# Altium PCB Board.PcbDoc
Units mil, origin at the board's own origin, x right, y up, seen from the top; angles counter-clockwise.
Board outline 2874.02 x 3346.46 mil, 2 copper layers (Top Layer, Bottom Layer); 8 components, 25 nets, 152 pads, 0 vias.
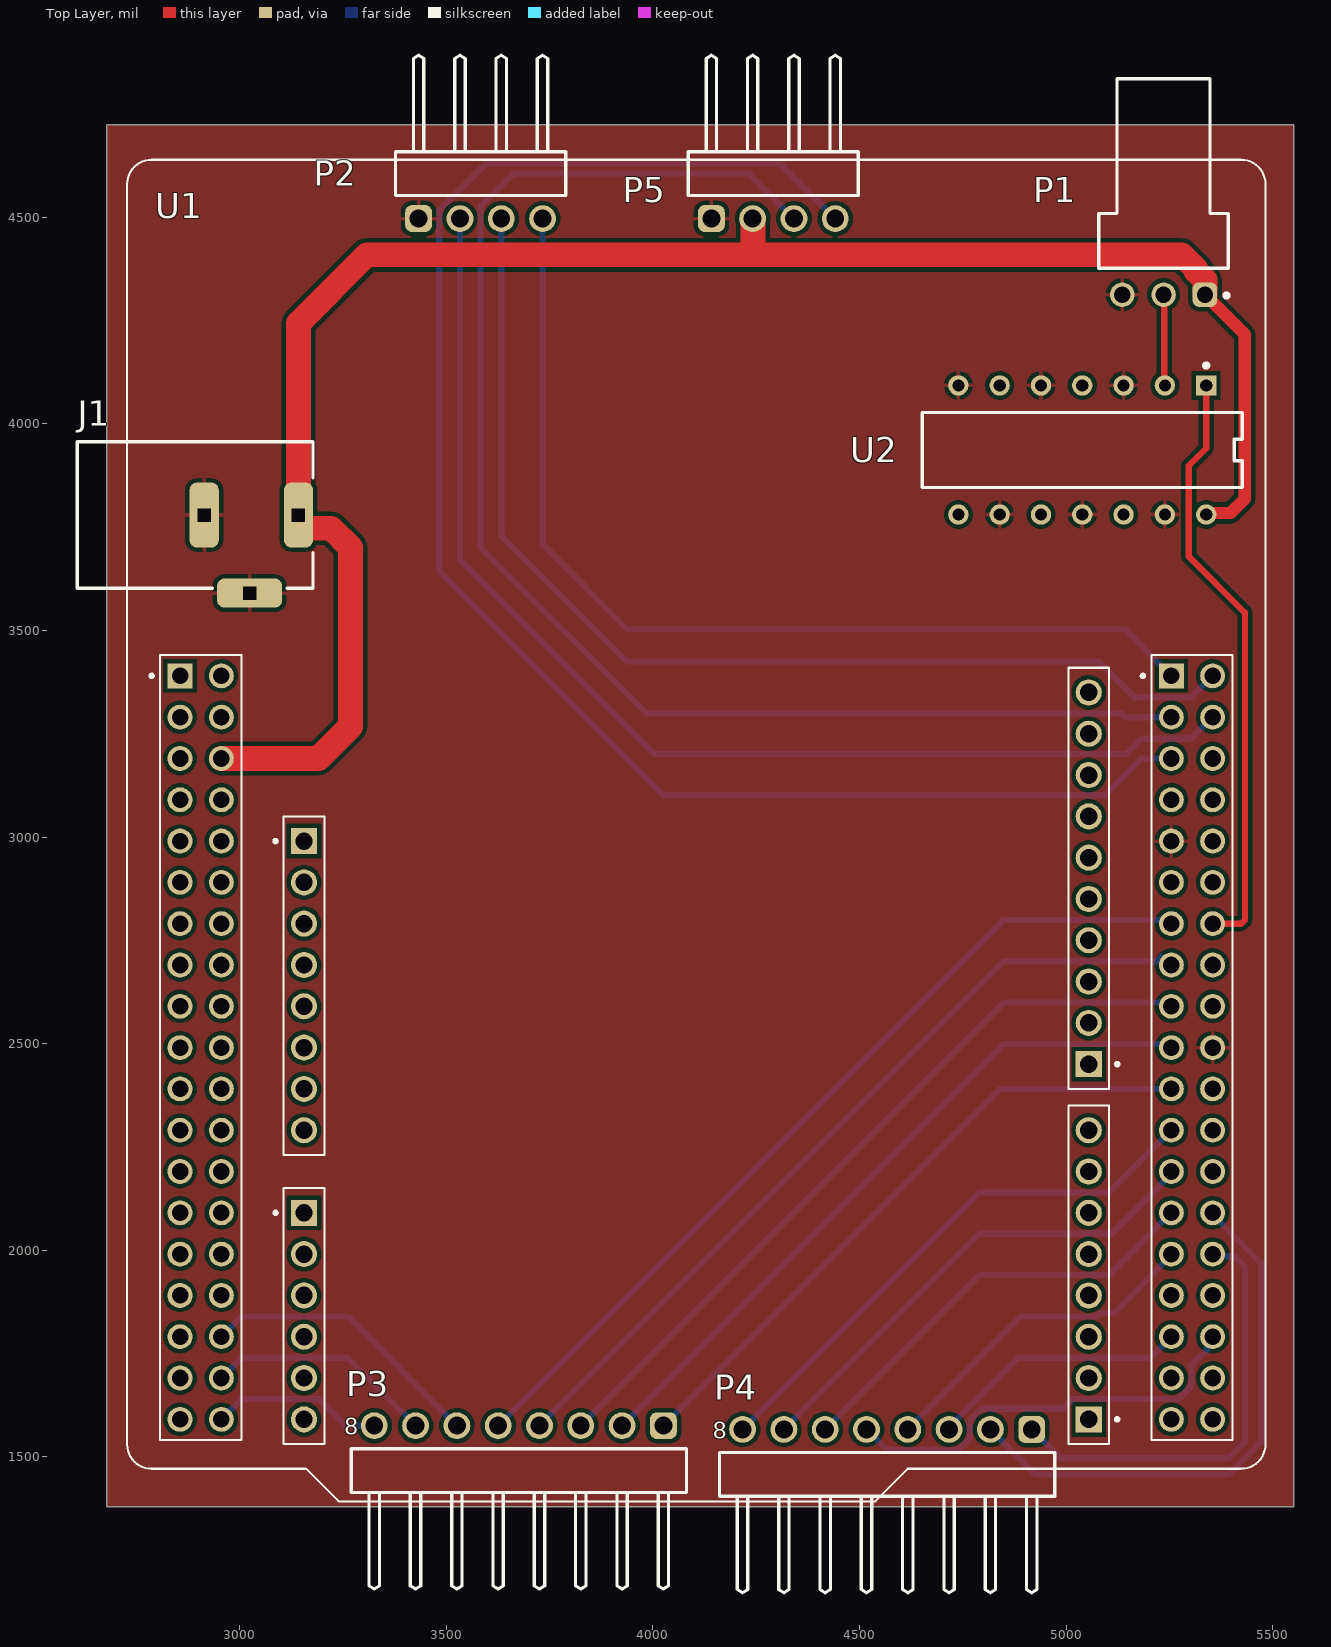
[diagram p0: Top Layer view]
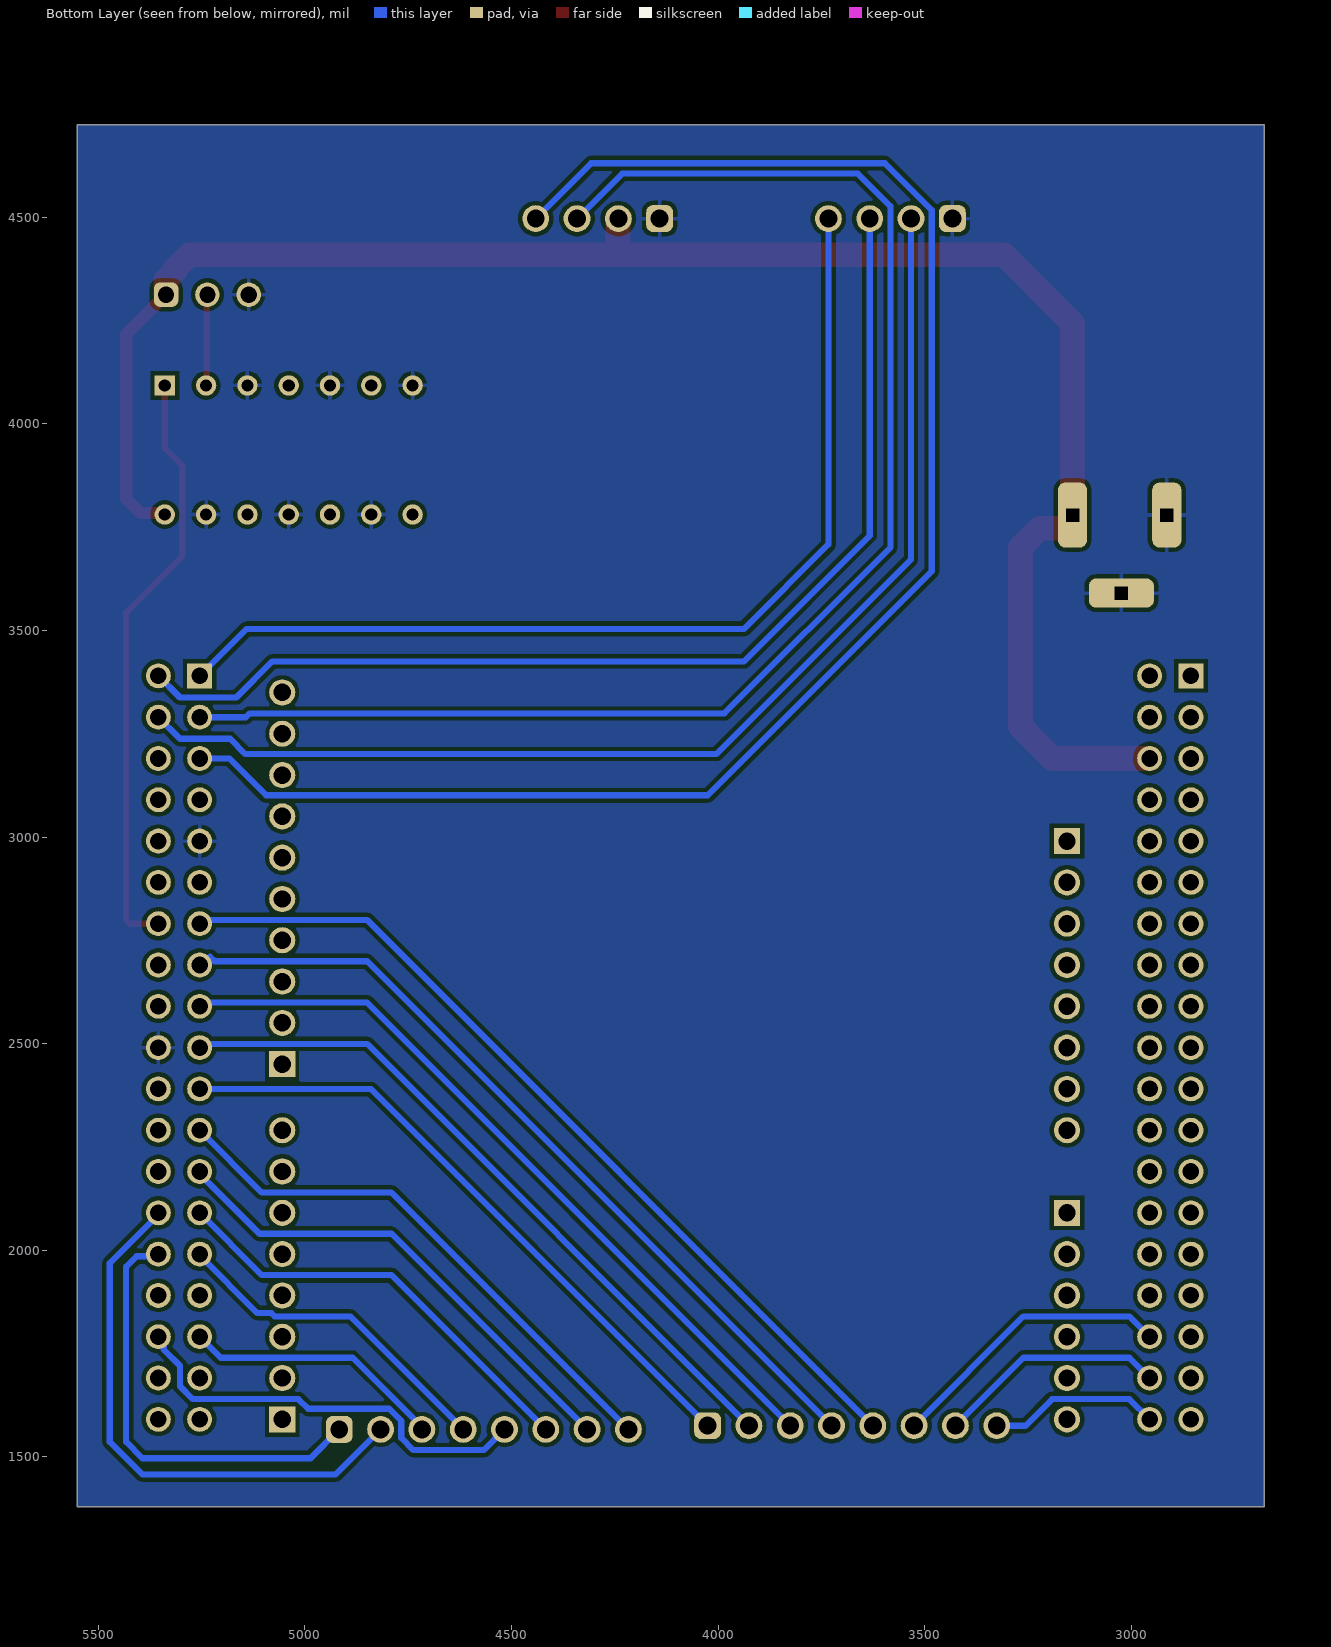
[diagram p1: Bottom Layer view, seen from below]
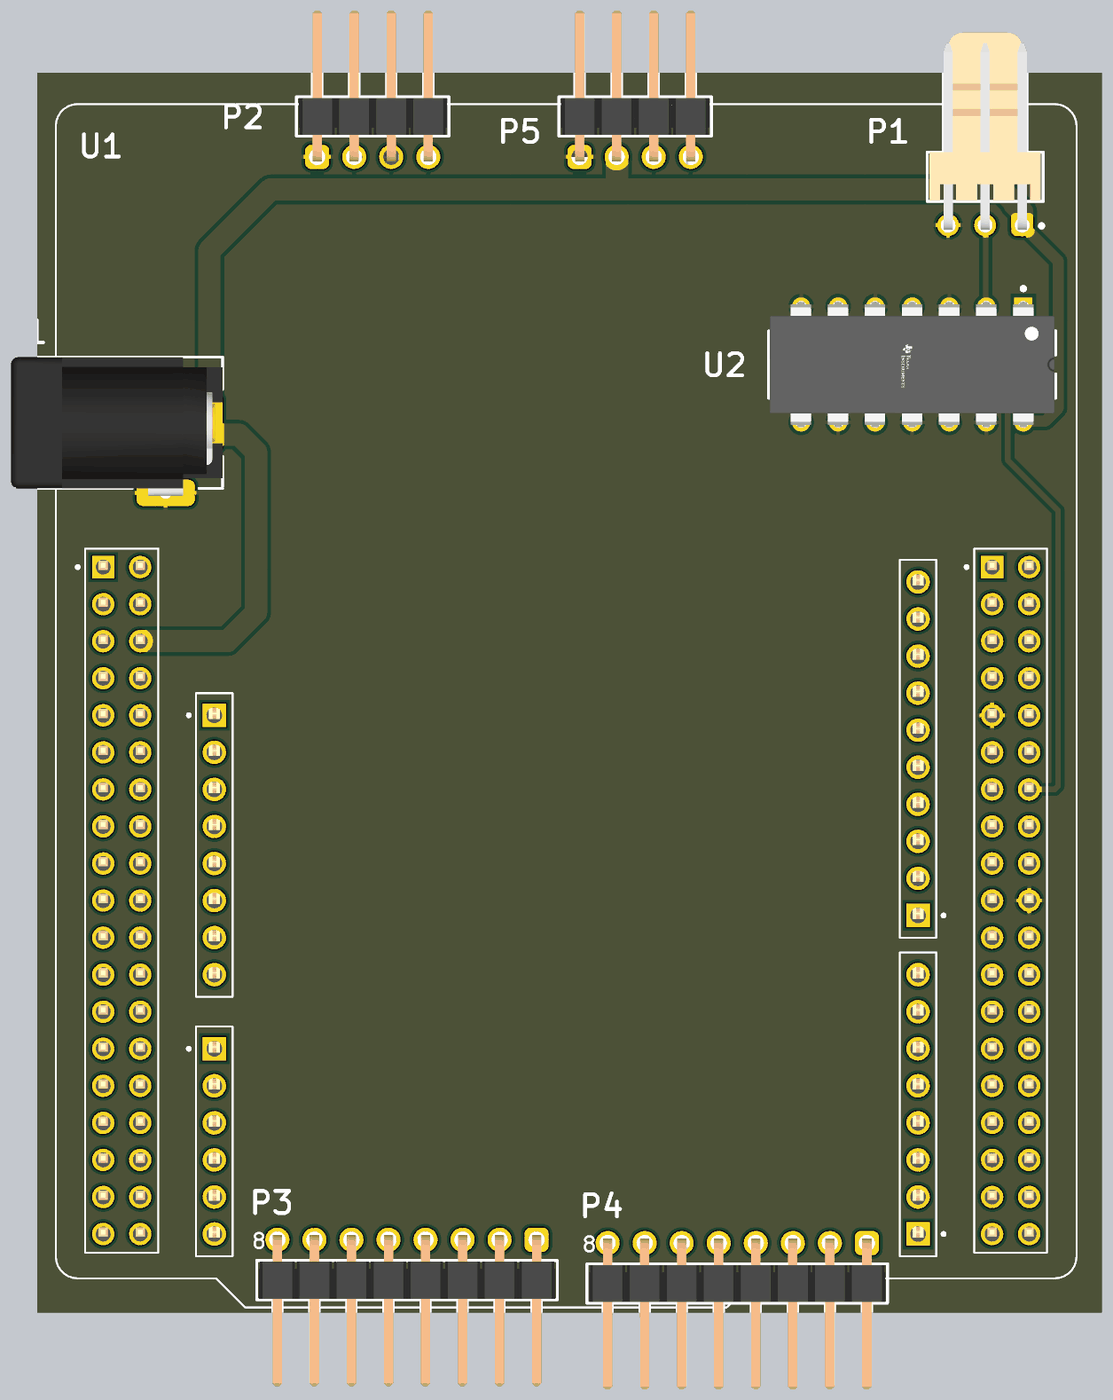
[diagram p2: 3D render of the assembled board from above, using the file's embedded part models]

## Layer stack, top to bottom
Top Solder: solder mask 0.4, Solder Resist, Dk 3.5
Top Layer: signal copper 1.4
Dielectric 1: dielectric 12.6, FR-4, Dk 4.8
Bottom Layer: signal copper 1.4
Bottom Solder: solder mask 0.4, Solder Resist, Dk 3.5

## Board outline
2677.17,1377.95 2677.17,4724.41 5551.18,4724.41 5551.18,1377.95

## Design rules (kind name [scope] priority, off if disabled: settings)
Clearance [All] p1: gap=10 ignorepadtopadclearanceinfootprint=FALSE except(0: Arc-Hole Track-Hole SMDPad-Hole THPad-Hole Via-Hole Fill-Hole Poly-Hole Region-Hole Text-Hole)
PolygonConnect [All] p1: connectstyle=Relief reliefconductorwidth=10 reliefentries=4 polygonreliefangle="90 Angle" airgapwidth=10
RoutingVias [All] p1: holewidth=28 width=50 viastyle="Through Hole" minholewidth=28 minwidth=50 maxholewidth=28 maxwidth=50
SolderMaskExpansion [All] p1: expansion=4 istentingtop=FALSE
Width [All] p1: maxlimit=100 minlimit=10 preferedwidth=15
30 further rules are at their usual default settings.

## Components (designator, comment, footprint, x,y, rotation, side; value= is the part's Value field where it differs from the comment)
J1 "694106301002" 694106301002 2891.73,3779.53 r270 top
P1 "61900311021" 61900311021 5236.22,4606.3 r180 top
P2 "61300411021" 61300411021 3582.68,4606.3 r180 top
P3 "61300811021" 61300811021 3675.2,1465.75 r0 top
P4 "61300811021" 61300811021 4566.93,1456.69 r0 top
P5 "61300411021" 61300411021 4291.34,4606.3 r180 top
U1 "NUCLEO-F446RE" MODULE_NUCLEO-F446RE 4105,3015.75 r0 top
U2 "CD74HC14E" FP-N0014A-MFG 5039.37,3937.01 r270 top

## Footprints (in the part's own frame and the unit in brackets; to place one, negate y for a bottom-side part, rotate by r counter-clockwise, add the part's x,y. Pads: shape width x height; smd on the part's side, far side on the other; paste and mask are expansions set on the pad)
61300411021 [mm] "Pin Header, pitch 2.54 mm, THT, Angled, single row, 4p"
  rrect50% 1.65x1.65 hole 1.1: 1(3.81,2.77)
  round 1.65 hole 1.1: 2(1.27,2.77) 3(-1.27,2.77) 4(-3.81,2.77)
  silkscreen extent -5.23,-7.27 5.23,1.35, body extent -5.08,-7.27 5.08,3.09, height 2.58
61300811021 [mm] "Pin Header, pitch 2.54 mm, THT, Angled, single row, 8p"
  rrect50% 1.65x1.65 hole 1.1: 1(8.89,2.77)
  round 1.65 hole 1.1: 2(6.35,2.77) 3(3.81,2.77) 4(1.27,2.77) 5(-1.27,2.77) 6(-3.81,2.77) 7(-6.35,2.77) 8(-8.89,2.77)
  silkscreen extent -10.31,-7.27 10.31,1.35, body extent -10.16,-7.27 10.16,3.09, height 2.58
61900311021 [mm] "2.54mm Male Left Angled Header Bottom Locking, 3p"
  rrect50% 1.5x1.5 hole 1: 1(-2.54,7.45)
  round 1.5 hole 1: 2(0,7.45) 3(2.54,7.45)
  silkscreen extent -4,-5.82 3.98,7.62, body extent -3.81,-5.75 3.81,7.77, height 5.83
694106301002 [mm] "DC Power Jack Right Angled(6.4)"
  rrect50% 4x1.8 hole 0.8 square: 1(0,6.35) 2(0,0.55)
  rrect50% 1.8x4 hole 0.8 square: 3(4.8,3.35)
  silkscreen extent -4.5,-7.25 4.5,7.25, body extent -4.5,-7.25 5,7.25, height 10.75
FP-N0014A-MFG [mm]
  rect 1.25x1.25 hole 0.75 paste-2539.97 mask+0: 1(-3.97,7.62)
  round 1.25 hole 0.75 paste-2539.97 mask+0: 2(-3.97,5.08) 3(-3.97,2.54) 4(-3.97,0) 5(-3.97,-2.54) 6(-3.97,-5.08) 7(-3.97,-7.62) 8(3.97,-7.62) 9(3.97,-5.08) 10(3.97,-2.54) 11(3.97,0) 12(3.97,2.54) 13(3.97,5.08) 14(3.97,7.62)
  silkscreen extent -5.32,-9.84 2.3,9.84, body extent -4.69,-9.94 4.69,9.94, height 0.25
MODULE_NUCLEO-F446RE [mm]
  rect 1.605x1.605 hole 1.07: CN5_1(24.13,-14.37) CN6_1(-24.13,-0.65) CN8_1(-24.13,-23.51) CN9_1(24.13,-36.21)
  round 1.605 hole 1.07: CN5_2(24.13,-11.83) CN5_3(24.13,-9.29) CN5_4(24.13,-6.75) CN5_5(24.13,-4.21) CN5_6(24.13,-1.67) CN5_7(24.13,0.87) CN5_8(24.13,3.41) CN5_9(24.13,5.95) CN5_10(24.13,8.49) CN6_2(-24.13,-3.19) CN6_3(-24.13,-5.73) CN6_4(-24.13,-8.27) CN6_5(-24.13,-10.81) CN6_6(-24.13,-13.35) CN6_7(-24.13,-15.89) CN6_8(-24.13,-18.43) CN8_2(-24.13,-26.05) CN8_3(-24.13,-28.59) CN8_4(-24.13,-31.13) CN8_5(-24.13,-33.67) CN8_6(-24.13,-36.21) CN9_2(24.13,-33.67) CN9_3(24.13,-31.13) CN9_4(24.13,-28.59) CN9_5(24.13,-26.05) CN9_6(24.13,-23.51) CN9_7(24.13,-20.97) CN9_8(24.13,-18.43)
  rect 1.53x1.53 hole 1.02: CN7_1(-31.75,9.51) CN10_1(29.21,9.51)
  round 1.53 hole 1.02: CN7_2(-29.21,9.51) CN7_3(-31.75,6.97) CN7_4(-29.21,6.97) CN7_5(-31.75,4.43) CN7_6(-29.21,4.43) CN7_7(-31.75,1.89) CN7_8(-29.21,1.89) CN7_9(-31.75,-0.65) CN7_10(-29.21,-0.65) CN7_11(-31.75,-3.19) CN7_12(-29.21,-3.19) CN7_13(-31.75,-5.73) CN7_14(-29.21,-5.73) CN7_15(-31.75,-8.27) CN7_16(-29.21,-8.27) CN7_17(-31.75,-10.81) CN7_18(-29.21,-10.81) CN7_19(-31.75,-13.35) CN7_20(-29.21,-13.35) CN7_21(-31.75,-15.89) CN7_22(-29.21,-15.89) CN7_23(-31.75,-18.43) CN7_24(-29.21,-18.43) CN7_25(-31.75,-20.97) CN7_26(-29.21,-20.97) CN7_27(-31.75,-23.51) CN7_28(-29.21,-23.51) CN7_29(-31.75,-26.05) CN7_30(-29.21,-26.05) CN7_31(-31.75,-28.59) CN7_32(-29.21,-28.59) CN7_33(-31.75,-31.13) CN7_34(-29.21,-31.13) CN7_35(-31.75,-33.67) CN7_36(-29.21,-33.67) CN7_37(-31.75,-36.21) CN7_38(-29.21,-36.21) CN10_2(31.75,9.51) CN10_3(29.21,6.97) CN10_4(31.75,6.97) CN10_5(29.21,4.43) CN10_6(31.75,4.43) CN10_7(29.21,1.89) CN10_8(31.75,1.89) CN10_9(29.21,-0.65) CN10_10(31.75,-0.65) CN10_11(29.21,-3.19) CN10_12(31.75,-3.19) CN10_13(29.21,-5.73) CN10_14(31.75,-5.73) CN10_15(29.21,-8.27) CN10_16(31.75,-8.27) CN10_17(29.21,-10.81) CN10_18(31.75,-10.81) CN10_19(29.21,-13.35) CN10_20(31.75,-13.35) CN10_21(29.21,-15.89) CN10_22(31.75,-15.89) CN10_23(29.21,-18.43) CN10_24(31.75,-18.43) CN10_25(29.21,-20.97) CN10_26(31.75,-20.97) CN10_27(29.21,-23.51) CN10_28(31.75,-23.51) CN10_29(29.21,-26.05) CN10_30(31.75,-26.05) CN10_31(29.21,-28.59) CN10_32(31.75,-28.59) CN10_33(29.21,-31.13) CN10_34(31.75,-31.13) CN10_35(29.21,-33.67) CN10_36(31.75,-33.67) CN10_37(29.21,-36.21) CN10_38(31.75,-36.21)
  silkscreen extent -35,-41.25 35,41.25, body extent -35,-41.12 35,42.83, height 21.12

## Part data
J1: library part CMP-1502-00188-2, Color=Black, Current Rating=5A, Flammability Rating="UL94 V-0", Insulation Resistance=100MΩ, Max Operating Temperature=85°C, Min Operating Temperature=-40°C, Operating Supply Voltage=24V, Voltage Rating (DC)=20V, Connector Type=Power, Contact Gender=Female, Contact Material="Gold, Tin", Contact Plating=Tin, Gender=Male, Height=11mm, Housing Material=Polyamide, Mount="Through Hole", NexarPartId=52676100, Number of Contacts=3, Packaging=Bulk, REACH SVHC=Unknown, RoHS=Compliant, Shielding=Unshielded, Termination="Through Hole", Voltage Rating=24V
P1: library part CMP-1502-00593-2, Color=Beige, Contact Resistance=20mΩ, Current Rating=3A, Flammability Rating="UL94 V-0", Insulation Resistance=1GΩ, Max Operating Temperature=105°C, Min Operating Temperature=-40°C, Operating Supply Voltage=250V, Connector Type="Male Pin", Contact Gender=Male, Contact Material=Copper, Contact Mating Length=7.62mm, Contact Plating=Tin, Fastening Type=Friction, Gender=Male, Height=3.3mm, Housing Material=Nylon, Insulation=Insulated, Lead Pitch=2.54mm, Length=7.62mm, Mount="Through Hole", NexarPartId=18818221, Number of Contacts=3, Number of Pins=3, Number of Positions=3, Number of Rows=1, Packaging=Bulk, Pitch=2.54mm, REACH SVHC=Unknown, RoHS=Compliant, Termination="Through Hole", Voltage Rating=250V, Width=7.66mm
P2 P5: library part CMP-1502-01063-2, Color=Black, Contact Resistance=20mΩ, Current Rating=3A, Operating Supply Voltage=250V, Connector Type="Male Pin", Contact Material=Copper, Contact Mating Length=5.9944mm, Contact Plating=Gold, Gender=Male, Lead Pitch=2.54mm, Mount="Through Hole", NexarPartId=31153320, Number of Contacts=4, Number of Pins=4, Number of Positions=4, Number of Rows=1, Pitch=2.54mm, REACH SVHC=Unknown, RoHS=Compliant, Termination=Solder
P3 P4: library part CMP-1502-01075-2, Color=Black, Contact Resistance=20mΩ, Current Rating=3A, Operating Supply Voltage=250V, Connector Type="Male Pin", Contact Material=Copper, Contact Mating Length=5.9944mm, Contact Plating=Gold, Gender=Male, Lead Pitch=2.54mm, Mount="Through Hole", NexarPartId=32855532, Number of Contacts=8, Number of Pins=8, Number of Positions=8, Number of Rows=1, Packaging=Bulk, Pitch=2.54mm, REACH SVHC=Unknown, RoHS=Compliant, Termination=Solder
U1: "STM32 Nucleo-64 development board with STM32F446RET6 MCU, supports Arduino and ST morpho connectivity", Package=None, Availability=Unavailable, MP=NUCLEO-F446RE, Price=None
U2: library part CMP-1615-00903-4, "IC INVERTER SCHMITT 6CH 14DIP", Case/Package=PDIP, High Level Output Current=-5.2mA, Low Level Output Current=5.2mA, Max Operating Temperature=125°C, Max Output Current=25mA, Max Supply Voltage=6V, Min Operating Temperature=-55°C, Min Supply Voltage=2V, Package Quantity=25, Quiescent Current=2uA, Contact Plating=Gold, Height=4.57mm, Input Type="SCHMITT TRIGGER", Lead Free="Lead Free", Length=19.3mm, Logic Function=Buffer, Mount="Through Hole", Number of Bits=6, Number of Circuits=6, Number of Elements=6, Number of Gates=6, Number of Inputs=1, Number of Outputs=6, Number of Pins=14, Output Current=5.2mA, Packaging=Rail/Tube, Propagation Delay=23ns, Radiation Hardening=No, REACH SVHC="No SVHC", RoHS Compliant=Yes, Schmitt Trigger Input=Yes, Series=74HC, Technology=CMOS, Termination="Through Hole", Turn-On Delay Time=29ns, Weight=0.032734oz, Width=6.35mm

## Nets (pads, with @x,y where several pads share a name; then routed paths per layer and width w, separated by ;. In a path a pad name is that pad's centre, name@x,y a point inside that pad or via, vN(x,y) a via of type N, cw(c..) or ccw(c..) an arc to the next point about the centre after c; other vN are vias at no path point)
5V: J1.1 P1.1 P5.2 U1.CN7_6 U2.14 | length 4478.9
  Top Layer w30: P1.1 5433.07,4216.14 5433.07,3818.9 5398.56,3784.38 5343.05,3784.38 U2.14
  Top Layer w60: U1.CN7_6 U1.CN7_6 3190.2,3190.2 3267.72,3267.72 3267.72,3700.79 3220.89,3747.61 3147.17,3747.61 3141.73,3753.05 J1.1 3141.73,4244.09 3307.09,4409.45 4251.97,4409.45 ; P5.2 4242.29,4496.3 4242.29,4419.13 4251.97,4409.45 ; P1.1 5336.22,4348.82 5314.96,4370.08 5314.96,4374.3 5279.81,4409.45 4251.97,4409.45
BUTTON_1: P2.2 U1.CN10_4 | length 2879.6
  Bottom Layer w15: P2.2 3532.68,3672.05 4003.82,3200.91 5144.09,3200.91 5180.96,3237.78 5302.62,3237.78 U1.CN10_4
BUTTON_2: P2.3 U1.CN10_2 | length 2674
  Bottom Layer w15: P2.3 3632.68,3729.53 3937.01,3425.2 5078.74,3425.2 5166.16,3337.78 5302.62,3337.78 U1.CN10_2
BUTTON_3: P2.4 U1.CN10_1 | length 2443.1
  Bottom Layer w15: P2.4 3732.68,3708.27 3937.01,3503.94 5141.22,3503.94 U1.CN10_1
GND: J1.2 J1.3 P1.3 P2.1 P5.1 U1.CN10_9 U1.CN10_20 U2.3 U2.5 U2.7 U2.9 U2.11 U2.13
LCD_SCL: P5.3 U1.CN10_3 | length 3505.6
  Bottom Layer w15: P5.3 4232.28,4606.3 3661.42,4606.3 3582.68,4527.56 3582.68,3700.79 3984.37,3299.09 4007.43,3299.09 5134.24,3299.09 5143.18,3290.16 U1.CN10_3
LCD_SDA: P5.4 U1.CN10_5 | length 3969.7
  Bottom Layer w15: P5.4 4307.28,4631.3 3596.05,4631.3 3482.7,4517.95 3482.7,3643.29 4025.08,3100.91 5094.09,3100.91 5183.34,3190.16 U1.CN10_5
LED_DATA: U1.CN10_14 U2.1 | length 1449.8
  Top Layer w15: U2.1 5339.37,3940.79 5297.26,3898.68 5297.26,3679.11 5433.07,3543.31 5433.07,2798.94 5424.28,2790.16 U1.CN10_14
NetP1_2: P1.2 U2.2 | length 221
  Top Layer w15: P1.2 5237.8,4311.42 5237.8,4094.88 U2.2
SENS_1: P3.8 U1.CN7_38 | length 417.2
  Bottom Layer w15: U1.CN7_38 3004.09,1639.25 3190.95,1639.25 3255.4,1574.8 P3.8
SENS_2: P3.7 U1.CN7_36 | length 558.6
  Bottom Layer w15: U1.CN7_36 3004.09,1739.25 3260.75,1739.25 P3.7
SENS_3: P3.6 U1.CN7_34 | length 700.1
  Bottom Layer w15: U1.CN7_34 3004.09,1839.25 3260.75,1839.25 P3.6
SENS_4: P3.5 U1.CN10_13 | length 2140.6
  Bottom Layer w15: P3.5 4849.49,2799.09 5233.82,2799.09 5242.76,2790.16 U1.CN10_13
SENS_5: P3.4 U1.CN10_15 | length 2008.5
  Bottom Layer w15: P3.4 4849.49,2699.09 5218.78,2699.09 5230.01,2710.32 5250.17,2690.16 U1.CN10_15
SENS_6: P3.3 U1.CN10_17 | length 1857.8
  Bottom Layer w15: P3.3 4849.49,2599.09 5233.82,2599.09 5242.76,2590.16 U1.CN10_17
SENS_7: P3.2 U1.CN10_19 | length 1716.4
  Bottom Layer w15: P3.2 4849.49,2499.09 5233.82,2499.09 5242.76,2490.16 U1.CN10_19
SENS_8: P3.1 U1.CN10_21 | length 1567.5
  Bottom Layer w15: P3.1 4840.55,2390.16 U1.CN10_21
SENS_A: P4.8 U1.CN10_23 | length 1338.1
  Bottom Layer w15: P4.8 4790.43,2139.25 5104.09,2139.25 U1.CN10_23
SENS_B: P4.7 U1.CN10_25 | length 1200.2
  Bottom Layer w15: P4.7 4790.43,2039.25 5110.12,2039.25 5255,2184.13 U1.CN10_25
SENS_C: P4.6 U1.CN10_27 | length 1055.3
  Bottom Layer w15: P4.6 4790.43,1939.25 5104.09,1939.25 U1.CN10_27
SENS_D: P4.5 U1.CN10_34 | length 1036.1
  Bottom Layer w15: P4.5 4566.91,1515.77 4737.63,1515.77 4766.93,1545.07 4766.93,1586.43 4796.23,1615.73 4992.63,1615.73 5016.16,1639.25 5271.44,1639.25 5302.62,1670.43 5302.62,1719.94 5341.71,1759.03 5341.71,1764.63 5355,1777.92 U1.CN10_34
SENS_E: P4.4 U1.CN10_29 | length 815.6
  Bottom Layer w15: P4.4 4890.43,1839.25 5073.52,1839.25 5081.7,1847.43 5115.15,1847.43 5255,1987.28 U1.CN10_29
SENS_F: P4.3 U1.CN10_33 | length 634.6
  Bottom Layer w15: P4.3 4716.93,1571.79 4884.39,1739.25 5204.09,1739.25 U1.CN10_33
SENS_G: P4.2 U1.CN10_28 | length 1336.7
  Bottom Layer w15: P4.2 4925.98,1456.69 5393.7,1456.69 5472.44,1535.43 5472.44,1968.5 5355,2085.94 U1.CN10_28
SENS_H: P4.1 U1.CN10_30 | length 1076.3
  Bottom Layer w15: P4.1 4986.61,1496.06 5393.7,1496.06 5433.07,1535.43 5433.07,1959.72 5407.62,1985.17 5359.99,1985.17 U1.CN10_30
pads on no net: U1.CN5_1 U1.CN5_2 U1.CN5_3 U1.CN5_4 U1.CN5_5 U1.CN5_6 U1.CN5_7 U1.CN5_8 U1.CN5_9 U1.CN5_10 U1.CN6_1 U1.CN6_2 U1.CN6_3 U1.CN6_4 U1.CN6_5 U1.CN6_6 U1.CN6_7 U1.CN6_8 U1.CN7_1 U1.CN7_2 U1.CN7_3 U1.CN7_4 U1.CN7_5 U1.CN7_7 U1.CN7_8 U1.CN7_9 U1.CN7_10 U1.CN7_11 U1.CN7_12 U1.CN7_13 U1.CN7_14 U1.CN7_15 U1.CN7_16 U1.CN7_17 U1.CN7_18 U1.CN7_19 U1.CN7_20 U1.CN7_21 U1.CN7_22 U1.CN7_23 U1.CN7_24 U1.CN7_25 U1.CN7_26 U1.CN7_27 U1.CN7_28 U1.CN7_29 U1.CN7_30 U1.CN7_31 U1.CN7_32 U1.CN7_33 U1.CN7_35 U1.CN7_37 U1.CN8_1 U1.CN8_2 U1.CN8_3 U1.CN8_4 U1.CN8_5 U1.CN8_6 U1.CN9_1 U1.CN9_2 U1.CN9_3 U1.CN9_4 U1.CN9_5 U1.CN9_6 U1.CN9_7 U1.CN9_8 U1.CN10_6 U1.CN10_7 U1.CN10_8 U1.CN10_10 U1.CN10_11 U1.CN10_12 U1.CN10_16 U1.CN10_18 U1.CN10_22 U1.CN10_24 U1.CN10_26 U1.CN10_31 U1.CN10_32 U1.CN10_35 U1.CN10_36 U1.CN10_37 U1.CN10_38 U2.4 U2.6 U2.8 U2.10 U2.12

## Polygon pours and split planes (outlines as drawn)
GND on Top Layer "GND_L01_P001" (solid, pour order 1): 2677.17,4724.41 2677.17,1377.95 5551.18,1377.95 5551.18,4724.41
GND on Bottom Layer "GND_L02_P000" (solid, pour order 0): 2677.17,4724.41 2677.17,1377.95 5551.18,1377.95 5551.18,4724.41

## Silkscreen, mask and mechanical layers (free items; w line width, h text height)
Mechanical 1:
  the board outline again, w10

## Text inside footprints (layer, text, board x,y; h text height)
P3: Top Overlay "8" at 3252.76,1552.36 h40
P4: Top Overlay "8" at 4144.49,1543.31 h40